# Altium PCB oxy_pcb.PcbDoc (continued)
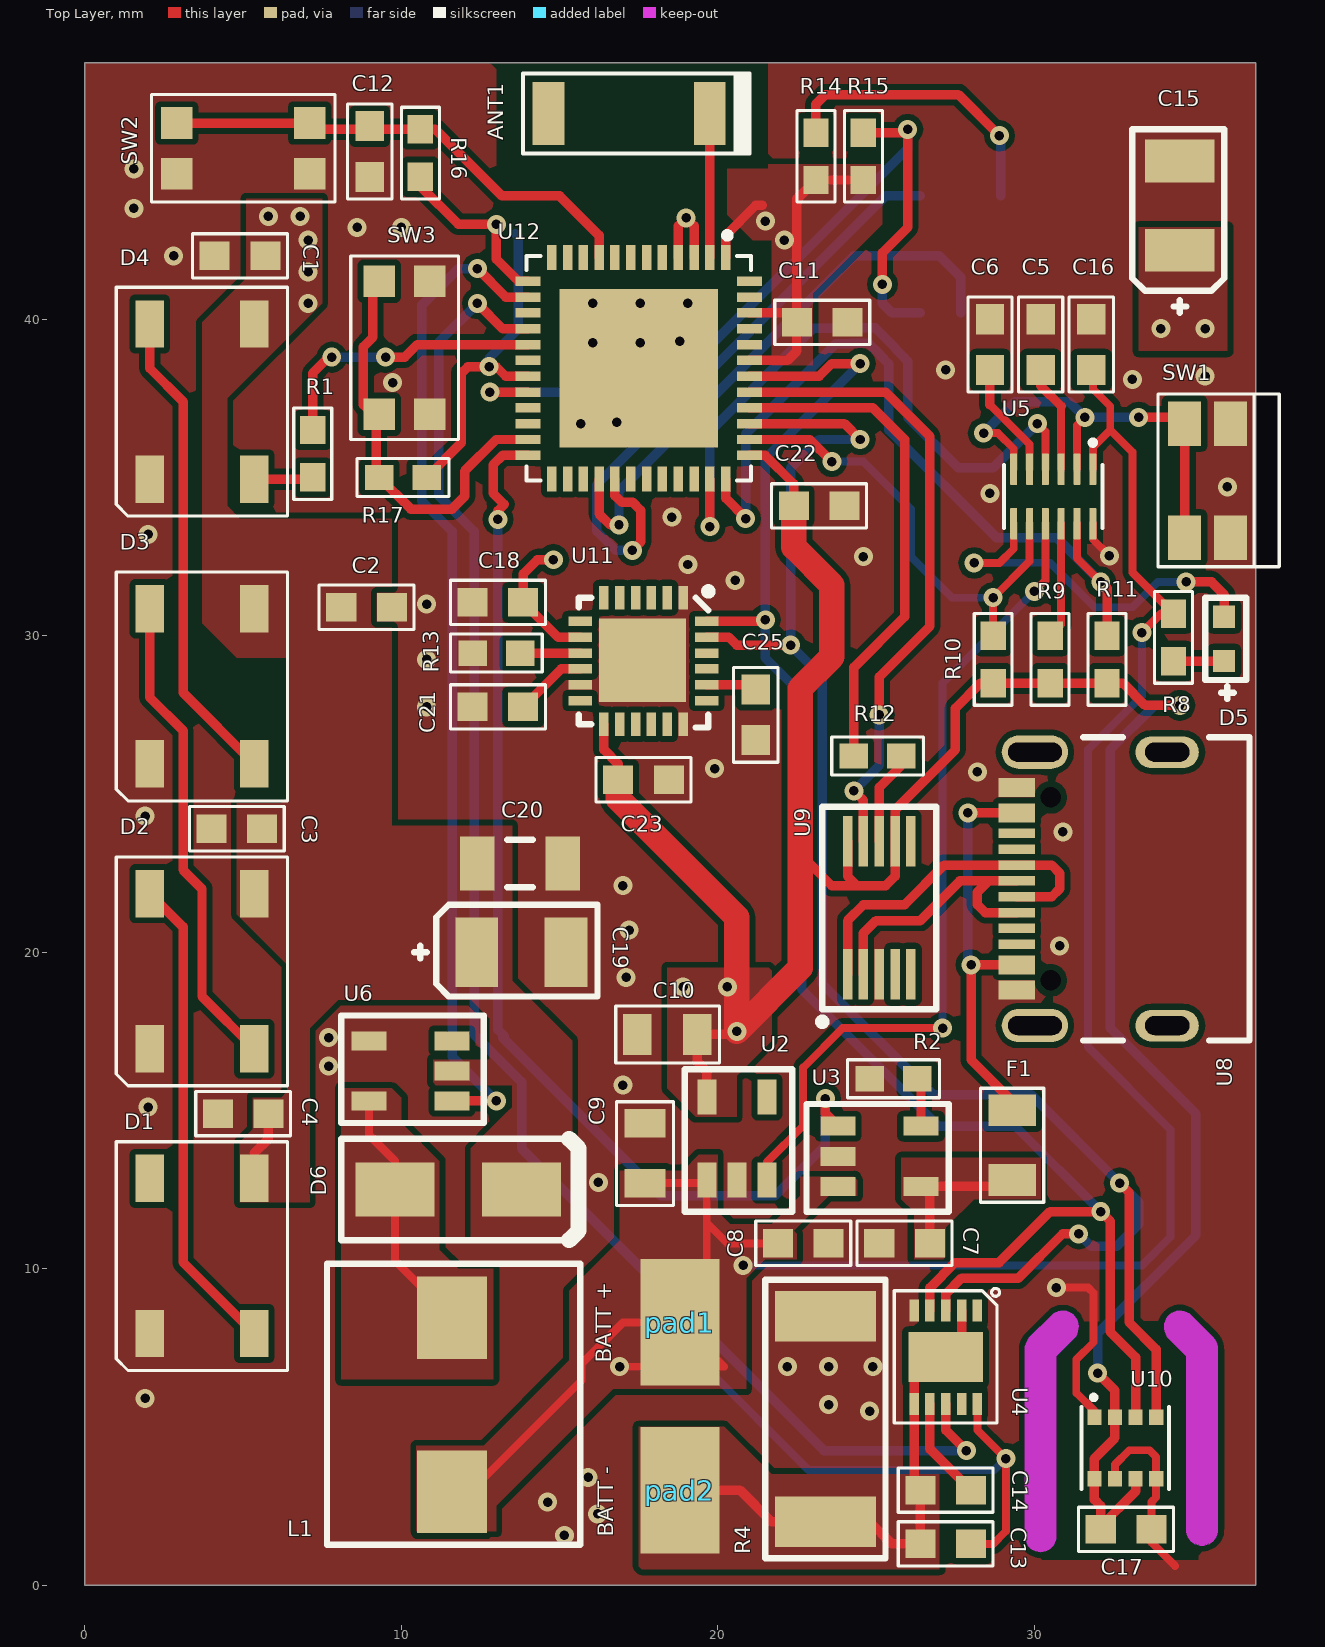
[diagram p0: Top Layer view]
## Part data (continued)
R12: library part ERA-3AEB121V, "RESISTOR, 0603, 120R, FULL REEL", Manufacturer=Panasonic, Power Rating=100mW, Resistance=120ohm, Resistance Tolerance="± 0.1%", Resistor Case Style="0603 ^1608 Metric]", Resistor Element Type="Thin Film", Supplier Part Number 1=P120DBCT-ND, Temperature Coefficient="± 25ppm/°C", Voltage Rating=75V, ComponentLink1Description=http://www.farnell.com/datasheets/1776116.pdf?src-supplier=Element14, ComponentLink1URL=http://www.farnell.com/datasheets/1776116.pdf?src-supplier=Element14, ComponentLink2Description=https://www.distrelec.biz/Web/Downloads/_t/ds/ERA_eng_tds.pdf?mime=application%2Fpdf&src-supplier=Distrelec, ComponentLink2URL=https://www.distrelec.biz/Web/Downloads/_t/ds/ERA_eng_tds.pdf?mime=application%2Fpdf&src-supplier=Distrelec, ComponentLink3Description=http://www.farnell.com/datasheets/485442.pdf?src-supplier=Farnell, ComponentLink3URL=http://www.farnell.com/datasheets/485442.pdf?src-supplier=Farnell, ComponentLink4Description=http://www.farnell.com/datasheets/2052875.pdf?src-supplier=Farnell, ComponentLink4URL=http://www.farnell.com/datasheets/2052875.pdf?src-supplier=Farnell, ComponentLink5Description=http://www.farnell.com/datasheets/2059650.pdf?src-supplier=Farnell, ComponentLink5URL=http://www.farnell.com/datasheets/2059650.pdf?src-supplier=Farnell, ComponentLink6Description=http://industrial.panasonic.com/www-data/pdf/AOA0000/AOA0000CE26.pdf?src-supplier=Avnet, ComponentLink6URL=http://industrial.panasonic.com/www-data/pdf/AOA0000/AOA0000CE26.pdf?src-supplier=Avnet, ComponentLink7Description=http://uk.rs-online.com/webdocs/0fe2/0900766b80fe20f7.pdf?src-supplier=RSComponents, ComponentLink7URL=http://uk.rs-online.com/webdocs/0fe2/0900766b80fe20f7.pdf?src-supplier=RSComponents, ComponentLink8Description=http://www.farnell.com/datasheets/485442.pdf?src-supplier=Element14, ComponentLink8URL=http://www.farnell.com/datasheets/485442.pdf?src-supplier=Element14, ComponentLink9Description=http://industrial.panasonic.com/www-data/pdf/AOA0000/AOA0000CE26.pdf?src-supplier=Avnet+Europe, ComponentLink9URL=http://industrial.panasonic.com/www-data/pdf/AOA0000/AOA0000CE26.pdf?src-supplier=Avnet+Europe, ComponentLink10Description=https://produktinfo.conrad.com/datenblaetter/450000-474999/450380-da-01-en-WIDERSTAND_0603_ERA.pdf?src-supplier=Conrad, ComponentLink10URL=https://produktinfo.conrad.com/datenblaetter/450000-474999/450380-da-01-en-WIDERSTAND_0603_ERA.pdf?src-supplier=Conrad, Manufacturer Part Number=ERA-3AEB121V, Packaging="Full Reel", Pricing 1="1=0.35, 10=0.3, 100=0.1173, 1000=0.0491, 2500=0.045 (USD)", Product Range="PANASONIC - ERA Series", Stock 1=198203, Supplier 1=Digi-Key
R13: library part CRCW06034K70FKEA, "RES SMD 4.7K OHM 1% 1/10W 0603", Manufacturer=Vishay, Operating Temperature="-55°C ~ 155°C", Package / Case="0603 (1608 Metric)", Power (Watts)="0.1W, 1/10W", Resistance="4.7 kOhms", Supplier Device Package=0603, Supplier Part Number 1=541-4.70KHCT-ND, Temperature Coefficient=±100ppm/°C, Tolerance=±1%, Categories=Resistors, ComponentLink1Description=http://uk.rs-online.com/webdocs/0d98/0900766b80d98afc.pdf?src-supplier=RSComponents, ComponentLink1URL=http://uk.rs-online.com/webdocs/0d98/0900766b80d98afc.pdf?src-supplier=RSComponents, ComponentLink2Description=https://www.verical.com/server-webapp/html/getDatasheet?partID=33073&src-supplier=Verical, ComponentLink2URL=https://www.verical.com/server-webapp/html/getDatasheet?partID=33073&src-supplier=Verical, ComponentLink3Description=http://www.vishay.com/docs/20035/dcrcwe3.pdf?src-supplier=Future+Electronics, ComponentLink3URL=http://www.vishay.com/docs/20035/dcrcwe3.pdf?src-supplier=Future+Electronics, ComponentLink4Description=https://www.alliedelec.com/m/d/0c934d6939ccefa68dbe0b96d821c8cf.pdf?src-supplier=Allied+Electronics, ComponentLink4URL=https://www.alliedelec.com/m/d/0c934d6939ccefa68dbe0b96d821c8cf.pdf?src-supplier=Allied+Electronics, ComponentLink5Description=http://www.vishay.com/docs/20035/dcrcwe3.pdf?src-supplier=Avnet+Asia, ComponentLink5URL=http://www.vishay.com/docs/20035/dcrcwe3.pdf?src-supplier=Avnet+Asia, ComponentLink6Description=http://www.farnell.com/datasheets/2046716.pdf?src-supplier=Element14, ComponentLink6URL=http://www.farnell.com/datasheets/2046716.pdf?src-supplier=Element14, ComponentLink7Description=https://www.distrelec.biz/Web/Downloads/a_/en/flD-CRCW-e3_data_en.pdf?mime=application%2Fpdf&src-supplier=Distrelec, ComponentLink7URL=https://www.distrelec.biz/Web/Downloads/a_/en/flD-CRCW-e3_data_en.pdf?mime=application%2Fpdf&src-supplier=Distrelec, Composition="Thick Film", Failure Rate=-, Features="Automotive AEC-Q200", Height - Seated (Max)="0.020 (0.50mm)", Manufacturer Part Number=CRCW06034K70FKEA, Number of Terminations=2, Packaging=Digi-Reel®, Part Status=Active, Pricing 1="1=0.1, 10=0.036, 100=0.0146, 1000=0.0065, 2500=0.0057 (USD)", Series=CRCW, Size / Dimension="0.061 L x 0.033 W (1.55mm x 0.85mm)", Stock 1=0, Supplier 1=Digi-Key
SW1: library part EVQ-P7A01P, "SWITCH TACTILE SPST-NO 0.05A 12V", Contact Rating @ Voltage="0.05A @ 12VDC", Illumination Type, Color=-, Manufacturer="Panasonic Electronic Components", Operating Force=220gf, Operating Temperature="-20°C ~ 70°C", Supplier Part Number 1=P16763CT-ND, Actuator Height off PCB, Vertical=-, Actuator Length, Right Angle=-, Actuator Material=-, Actuator Orientation="Side Actuated", Actuator Type="Rectangular Button", Category=Switches, Circuit=SPST-NO, ComponentLink1Description=https://www3.panasonic.biz/ac/e_download/control/switch/light-touch/catalog/sw_lt_eng_3529s_side.pdf, ComponentLink1URL=https://www3.panasonic.biz/ac/e_download/control/switch/light-touch/catalog/sw_lt_eng_3529s_side.pdf, Features=-, Illumination=Non-Illuminated, Illumination Voltage (Nominal)=-, Ingress Protection=-, Manufacturer Part Number=EVQ-P7A01P, Mechanical Life="100,000 Cycles", Mounting Type="Surface Mount, Right Angle", Outline="3.50mm x 2.90mm", Packaging="Cut Tape (CT)", Part Status=Active, Pricing 1="1=0.3, 10=0.285, 25=0.2748, 50=0.2646, 100=0.2544, 250=0.23404, 500=0.2035, 1000=0.17298 (USD)", RoHS="RoHS Compliant", Stock 1=17874, Supplier 1=Digi-Key, Switch Function=Off-Mom, Switch Travel=0.20mm, Termination Style="Gull Wing"
SW2 SW3: library part KMR731NGLFS, "switch", Contact Rating @ Voltage="0.05A @ 32VDC", Illumination Type, Color=-, Manufacturer="ITT C&K", Operating Force=300gf, Operating Temperature="-40°C ~ 85°C", Supplier Part Number 1=611-KMR731NGLFS, Actuator Height off PCB, from Pins=2.50mm, Actuator Material=-, Actuator Orientation="Top Actuated", Actuator Type=Standard, Category=Switches, Circuit=SPST-NO, Family="Tactile Switches", Features=-, Illumination=Non-Illuminated, Illumination Voltage (Nominal)=-, Ingress Protection="IP67 - Dust Tight, Waterproof", Manufacturer Part Number=KMR731NGLFS, Mechanical Life="150,000 Cycles", Mounting Type="Surface Mount", Outline="4.20mm x 2.80mm", Packaging="Tape & Reel (TR)", Pricing 1="1=0.34, 10=0.333, 50=0.309, 100=0.298, 1000=0.203, 10000=0.167 (USD)", Series=KMR7, Stock 1=5277, Supplier 1=Mouser, Switch Function=Off-Mom, Switch Travel=-, Termination Style="Gull Wing"
U2: "IC REG LINEAR 3.3V 600MA SOT25", Current - Output=600mA, Manufacturer="Diodes Incorporated", Operating Temperature="-40°C ~ 85°C", Package / Case="SC-74A, SOT-753", Supplier Device Package=SOT-25, Supplier Part Number 1=AP2112K-3.3TRG1DITR-ND, Voltage - Input (Max)=6V, Voltage - Output (Max)=-, Voltage - Output (Min/Fixed)=3.3V, Voltage Dropout (Max)="0.4V @ 600mA", Category="Integrated Circuits (ICs)", ComponentLink1Description=https://www.diodes.com/assets/Datasheets/AP2112.pdf, ComponentLink1URL=https://www.diodes.com/assets/Datasheets/AP2112.pdf, Control Features=Enable, Manufacturer Part Number=AP2112K-3.3TRG1, Mounting Type="Surface Mount", Output Configuration=Positive, Output Type=Fixed, Packaging="Tape & Reel (TR)", Part Status=Active, Pricing 1="3000=0.10368, 6000=0.09792, 15000=0.08928, 30000=0.08352, 75000=0.07488 (USD)", Protection Features="Over Current, Over Temperature", PSRR="65sB (100Hz ~ 1KHz)", RoHS="RoHS Compliant", Stock 1=36000, Supplier 1=Digi-Key
U3: library part MCP73831T-2ACI/OT, "IC CONTROLLR LI-ION 4.2V SOT23-5", Battery Pack Voltage=4.2V, Charge Current - Max=500mA, Current - Charging="Constant - Programmable", Manufacturer="Microchip Technology", Operating Temperature="-40°C ~ 85°C (TA)", Package / Case="SC-74A, SOT-753", Supplier Device Package=SOT-23-5, Supplier Part Number 1=MCP73831T-2ACI/OTCT-ND, Voltage - Supply (Max)=6V, Battery Chemistry=Lithium-Ion/Polymer, Category="Integrated Circuits (ICs)", ComponentLink1Description=http://www.microchip.com/mymicrochip/filehandler.aspx?ddocname=en025112, ComponentLink1URL=http://www.microchip.com/mymicrochip/filehandler.aspx?ddocname=en025112, Fault Protection="Over Voltage", Interface=-, Manufacturer Part Number=MCP73831T-2ACI/OT, Number of Cells=1, Packaging="Cut Tape (CT)", Part Status=Active, Pricing 1="1=0.59, 25=0.4936, 100=0.441 (USD)", Programmable Features=Current, RoHS="RoHS Compliant", Stock 1=86533, Supplier 1=Digi-Key
U4: library part MAX17055ETB+T, "IC FUEL GAUGE MODELGAUGE 10TDFN", Manufacturer=Maxim, Operating Temperature="-40°C ~ 85°C (TA)", Package / Case="10-WFDFN Exposed Pad", Supplier Device Package="10-TDFN (2.5x2.0)", Supplier Part Number 1=MAX17055ETB+TCT-ND, Base Part Number=MAX17055, Battery Chemistry=Multi-Chemistry, Categories="Integrated Circuits (ICs)", ComponentLink1Description=https://pdfserv.maximintegrated.com/en/an/AN6365.pdf?src-supplier=Digi-Key, ComponentLink1URL=https://pdfserv.maximintegrated.com/en/an/AN6365.pdf?src-supplier=Digi-Key, ComponentLink2Description=http://www.farnell.com/datasheets/2608092.pdf?src-supplier=Farnell, ComponentLink2URL=http://www.farnell.com/datasheets/2608092.pdf?src-supplier=Farnell, Fault Protection=-, Function="Battery Monitor", Interface=I?C, Manufacturer Part Number=MAX17055ETB+T, Number of Cells=1, Packaging="Cut Tape (CT)", Part Status=Active, Pricing 1="1=2.16, 10=1.942, 25=1.836, 100=1.5096, 250=1.3546, 500=1.326 (USD)", Series=ModelGauge™, Stock 1=7808, Supplier 1=Digi-Key
U5: library part STM6601CQ2BDM6F, "On/Off Controller 12-Pin TDFN T/R", Manufacturer=STMicroelectronics, Number of Voltages Monitored=1, Operating Temperature="-40°C ~ 85°C", Package / Case=12-TDFN, Supplier Device Package="12-TDFN (2x3)", Supplier Part Number 1=497-10133-1-ND, Voltage - Threshold=3.3V, Category="Integrated Circuits (ICs)", ComponentLink1Description=http://www.st.com/web/en/resource/technical/document/datasheet/CD00226957.pdf?src-supplier=Future+Electronics, ComponentLink1URL=http://www.st.com/web/en/resource/technical/document/datasheet/CD00226957.pdf?src-supplier=Future+Electronics, ComponentLink2Description=http://www.st.com/content/ccc/resource/sales_and_marketing/promotional_material/flyer/aa/21/1f/20/e0/b1/46/88/FLSTM66XX0215.pdf/files/FLSTM66XX0215.pdf/jcr:content/translations/en.FLSTM66XX0215.pdf?src-supplier=Digi-Key, ComponentLink2URL=http://www.st.com/content/ccc/resource/sales_and_marketing/promotional_material/flyer/aa/21/1f/20/e0/b1/46/88/FLSTM66XX0215.pdf/files/FLSTM66XX0215.pdf/jcr:content/translations/en.FLSTM66XX0215.pdf?src-supplier=Digi-Key, ComponentLink3Description=http://www.st.com/content/ccc/resource/technical/document/datasheet/1f/9e/3b/43/ec/04/44/71/CD00226957.pdf/files/CD00226957.pdf/jcr:content/translations/en.CD00226957.pdf?src-supplier=Digi-Key, ComponentLink3URL=http://www.st.com/content/ccc/resource/technical/document/datasheet/1f/9e/3b/43/ec/04/44/71/CD00226957.pdf/files/CD00226957.pdf/jcr:content/translations/en.CD00226957.pdf?src-supplier=Digi-Key, ComponentLink4Description=http://www.st.com/web/en/resource/technical/document/datasheet/CD00226957.pdf?src-supplier=Avnet+Europe, ComponentLink4URL=http://www.st.com/web/en/resource/technical/document/datasheet/CD00226957.pdf?src-supplier=Avnet+Europe, ComponentLink5Description=http://www.produktinfo.conrad.com/datenblaetter/1100000-1199999/001184326-da-01-en-IC_SUPERVISO_STM6601CQ2BDM6F_TDFN_12_STM.pdf?src-supplier=Conrad, ComponentLink5URL=http://www.produktinfo.conrad.com/datenblaetter/1100000-1199999/001184326-da-01-en-IC_SUPERVISO_STM6601CQ2BDM6F_TDFN_12_STM.pdf?src-supplier=Conrad, Dynamic Catalog="Smart ON/OFF Controller, Reset", Family="PMIC - Supervisors", Manufacturer Part Number=STM6601CQ2BDM6F, Mounting Type="Surface Mount", Other Names=497-10133-6, Other Related Documents="STM6601 View All Specifications", Output="Open Drain or Open Collector", Packaging=Digi-Reel®, Pricing 1="1=1.51, 10=1.351, 25=1.2824, 100=0.9847, 250=0.8702, 500=0.8244, 1000=0.6412 (USD)", Product Training Modules="STM660x Smart On/Off Controller", Reset="Active Low", Reset Timeout=-, Series="Smart Reset™", Standard Package=1, Stock 1=114, Supplier 1=Digi-Key, Type="Smart ON/OFF Controller"
U8: library part USB4105-GF-A, "Conn Rcpt USB2.0 Typec 5A", Manufacturer="Global Connector Technology", Supplier Part Number 1=86AH2021, Manufacturer Part Number=USB4105-GF-A, Pricing 1="1=1.69, 100=1.36, 250=1.23, 500=1.14, 1000=1.04 (USD)", Stock 1=0, Supplier 1=Newark
U9: library part EMCH340, Manufacturer=Eaton, Manufacturer Part Number=EMCH340|EMCH340, Supplier Part Number 1=1243048, Stock 1=0, Supplier 1=RSComponents
U10: "Pressure, Temperature and Humidity Sensor Digital Output 1.8V 8-Pin LGA T/R", Manufacturer=Bosch, Operating Temperature="-40°C ~ 85°C", Package / Case=8-VFLGA, Supplier Device Package="8-LGA (2.5x2.5)", Supplier Part Number 1=828-1063-1-ND, Voltage - Supply="1.71 V ~ 3.6 V", Accuracy=±3%, Categories="Sensors, Transducers", ComponentLink1Description=https://ae-bst.resource.bosch.com/media/_tech/media/datasheets/BST-BME280-DS002.pdf?src-supplier=Digi-Key, ComponentLink1URL=https://ae-bst.resource.bosch.com/media/_tech/media/datasheets/BST-BME280-DS002.pdf?src-supplier=Digi-Key, ComponentLink2Description=https://ae-bst.resource.bosch.com/media/_tech/media/product_flyer/BME280_Productflyer_BST_20170109.pdf?src-supplier=Arrow, ComponentLink2URL=https://ae-bst.resource.bosch.com/media/_tech/media/product_flyer/BME280_Productflyer_BST_20170109.pdf?src-supplier=Arrow, ComponentLink3Description=https://ae-bst.resource.bosch.com/media/_tech/media/product_flyer/BME280_Productflyer_BST_20170109.pdf?src-supplier=Mouser, ComponentLink3URL=https://ae-bst.resource.bosch.com/media/_tech/media/product_flyer/BME280_Productflyer_BST_20170109.pdf?src-supplier=Mouser, ComponentLink4Description=https://ae-bst.resource.bosch.com/media/_tech/media/product_flyer/BME280_Productflyer_BST_20170109.pdf?src-supplier=NAC+Semi, ComponentLink4URL=https://ae-bst.resource.bosch.com/media/_tech/media/product_flyer/BME280_Productflyer_BST_20170109.pdf?src-supplier=NAC+Semi, Humidity Range="0 ~ 100% RH", Manufacturer Part Number=BME280, Mounting Type="Surface Mount", Output=16b, Output Type="I?C, SPI", Packaging="Cut Tape (CT)", Part Status=Active, Pricing 1="1=6.55, 5=5.776, 10=5.101, 25=4.1388, 50=3.6576, 100=3.5613, 500=2.9838, 1000=2.7913, 5000=2.5988 (USD)", Response Time=1s, Sensitivity=-, Sensor Type="Humidity, Pressure, Temperature", Series=-, Stock 1=18503, Supplier 1=Digi-Key
U11: "IMU ACCEL/GYRO 3-AXIS I2C 24QFN", Manufacturer="TDK InvenSense", Operating Temperature="-40°C ~ 85°C (TA)", Supplier Part Number 1=1428-1007-1-ND, Category="Sensors, Transducers", ComponentLink1Description=http://store.invensense.com/datasheets/invensense/MPU-6050_DataSheet_V3%204.pdf, ComponentLink1URL=http://store.invensense.com/datasheets/invensense/MPU-6050_DataSheet_V3%204.pdf, Manufacturer Part Number=MPU-6050, Output Type=I?C, Part Status="Not For New Designs", Pricing 1="1=8.25, 5=7.232, 10=6.509, 25=5.786, 50=5.352, 100=4.6288, 500=4.3395, 1000=4.0502 (USD)", RoHS="RoHS Compliant", Sensor Type="Accelerometer, Gyroscope, 3 Axis", Stock 1=22313, Supplier 1=Digi-Key
U12: "Bluetooth, WiFi 802.11b/g/n, Bluetooth v4.2 + EDR, Class 1, 2 and 3 Transceiver Module 2.4GHz ~ 2.5GHz Surface Mount", Package="SMD-48 Espressif Systems", Availability=Unavailable, MF="Espressif Systems", MP=ESP32-PICO-D4, Price=None, SnapEDA_Link=https://www.snapeda.com/parts/ESP32-PICO-D4/Espressif%20Systems/view-part/2762121/?ref=snap

## Via types
v1: diameter 0.6, hole 0.3, Top Layer to Bottom Layer, tented both sides, 103 vias
v2: diameter 0.6, hole 0.3, Top Layer to Bottom Layer, 9 vias

## Nets (pads, with @x,y where several pads share a name; then routed paths per layer and width w, separated by ;. In a path a pad name is that pad's centre, name@x,y a point inside that pad or via, vN(x,y) a via of type N, cw(c..) or ccw(c..) an arc to the next point about the centre after c; other vN are vias at no path point)
+3V3: C10.2 C11.2 C17.2 C18.2 C22.2 C23.2 R9.2 R10.2 R11.2 R14.1 R15.1 R16.2 R17.2 U2.5 U9.7 U9.10 U10.2 U10.6 U10.8 U11.8 U11.13 U12.1 U12.3 U12.4 U12.13 U12.19 U12.37 U12.43 U12.46 | length 122.9
  Top Layer w0.3: R16.2 10.6,44.2 11.8,43 v1(13,43) 13,41.9 13.7,41.2 U12.13 ; R17.2 11.9,36.1 11.9,38.3 12.1,38.5 v1(12.775,38.5) 13,38.5 13.3,38.2 U12.19 ; v1(14.8,32.4) 14.3,32.4 13.85,31.95 C18.2 14.95,29.95 U11.8 ; U11.13 16.4,26.4 16.85,25.95 C23.2 ; U12.4 18.75,42.95 v1(19,43.2) 19.25,42.95 U12.3 ; U2.5 19.65,16.25 19.35,16.55 C10.2 20.5,17.4 v1(20.6,17.5) ; U12.1 20.25,42.65 21.2,43.6 21.4,43.6 ; U12.37 21.5,35.7 22.4,34.8 C22.2 ; U12.43 22.2,38.7 22.5,39 C11.2 ; U12.46 22.2,40.2 C11.2 ; 22.6,23.1 23.6,22.1 24.4,22.1 ; U9.10 24.1,22.4 24.4,22.1 ; R15.1 R14.1 22.5,43.8 C11.2 ; C17.2@31.995,1.865 C17.2 C17.2@32.1,1.86 ; v1(32,6.7) 32.55,6.15 U10.2 32.55,4.65 31.9,4 U10.8 31.9,2.7 32.1,2.5 C17.2@32.1,1.86 ; U10.6 33.2,2.96 C17.2@32.1,1.86 ; v1(34.6,27.8) 33.5,27.8 32.8,28.5 R11.2 R9.2 R10.2 28.3,28.5 27.5,27.7 27.5,26.393 25.6,24.493 U9.7 25.6,22.4 25.3,22.1 24.4,22.1
  Top Layer w0.8: C23.2 16.85,24.85 20.6,21.1 v1(20.6,17.5) 22.6,19.5 22.6,23.1 22.6,28.332 23.6,29.332 23.6,31.6 22.4,32.8 C22.2
  Bottom Layer w0.3: v1(12.775,38.5) 12.775,38.775 13.7,39.7 13.7,42.6 13.6,42.7 ; v1(32,6.7) 32,7.95 35.1,11.05 35.1,14.9 32.4,17.6 32.4,26.4 33.8,27.8 v1(34.6,27.8)
  other v1: 18.9,18.9 20.3,18.9 22.1,42.5 21.5,43.1
+5V: C1.2 C2.2 C3.2 C4.2 C15.2 C19.2 C20.2 D1.1 D2.1 D3.1 D4.1 D6.2 U6.2 U7.1 U7.2 | length 2.2
  Top Layer w0.3: D1.1 5.35,13.65 5.8,14.1 C4.2
  other v1: 34,39.7 35.4,39.7 7.05,40.5 7.05,41.5 7.05,42.5 5.8,43.25 6.8,43.25
+VBATT: C8.2 C9.2 C13.1 C16.2 L1.1 pad1.1 R8.2 U2.1 U3.3 U4.10 U5.1 | length 90
  Top Layer w0.25: L1.1 12.175,2.95 15.7,6.475 15.7,7 17,8.3 pad1.1 ; v1(16.9,6.9) 20.2,6.9 pad1.1 ; C9.2 19.55,12.7 U2.1 19.65,11.45 ; C8.2 20.3,10.8 19.65,11.45 ; C13.1 28.7,1.3 29.1,1.7 v1(29.1,4) 28.2,4.9 U4.10 ; U5.1 31.85,35.95 32.4,36.5 ; C16.2@31.85,38.35 31.85,37.8 32.4,37.25 32.4,36.5 ; v1(33.4,30.1) 34,30.7 R8.2 33.1,32 33.1,35.8 32.4,36.5 ; pad1.1 19.65,9.15 19.65,11.45
  Top Layer w0.3: C16.2 C16.2@31.85,38.35
  Bottom Layer w0.25: v1(16.9,6.9) 19.6,6.9 22.865,3.635 28.735,3.635 v1(29.1,4) ; v1(20.8,10.1) 33.4,10.1 34.3,11 34.3,14.4 31.7,17 31.7,26.4 33.4,28.1 v1(33.4,30.1)
+VUSB: C7.2 F1.2 U3.4 | length 5
  Top Layer w0.3: C7.2 26.7,12.32 U3.4 29.1,12.6 F1.2 F1.2@29.4,12.8
ACC_INT: U11.12
BATTERY_ALERT: U4.8 U12.16 | length 50
  Top Layer w0.3: v1(12.4,40.5) 13.2,39.7 U12.16 ; U4.8 27.2,4.9 v1(27.85,4.25)
  Bottom Layer w0.3: v1(12.4,40.5) 11.175,39.275 11.175,34.425 12.3,33.3 12.3,17.4 13.8,15.9 13.8,13.8 23.35,4.25 v1(27.85,4.25)
CHGSTAT: U3.1 U12.24 | length 35.1
  Top Layer w0.3: v1(13.05,33.675) 13.05,33.95 13.25,34.15 12.9,34.5 12.9,35.4 13.2,35.7 U12.24 ; v1(23.4,15.375) 23.4,14.9 U3.1
  Bottom Layer w0.3: v1(13.05,33.675) 13.05,17.55 13.25,17.35 13.2,17.3 18.2,12.3 21.8,12.3 23.4,13.9 v1(23.4,15.375)
DIN: D4.4 R1.1 | length 1.9
  Top Layer w0.3: D4.4 7.15,34.95 R1.1
EN: C12.2 R16.1 SW2.2 U12.9 | length 15.5
  Top Layer w0.3: SW2.2@2.9,46.2 7.1,46.2 7.3,46 R16.1 11.075,46 13.175,43.9 15,43.9 16.25,42.65 U12.9
ENABLE_PM_SENSOR: U6.1 U12.14 | length 31.7
  Top Layer w0.3: U6.1 v1(13,15.3) ; v1(12.4,41.6) 13.3,40.7 U12.14
  Bottom Layer w0.3: v1(12.4,41.6) 11.8,41.6 10.65,40.45 10.65,34.25 11.6,33.3 11.6,16.7 v1(13,15.3)
GND: C1.1 C2.1 C3.1 C4.1 C5.1 C6.1 C7.1 C8.1 C9.1 C10.1 C11.1 C12.1 C15.1 C16.1 C17.1 C18.1 C19.1 C20.1 C21.1 C22.1 C23.1 C25.1 D1.3 D2.3 D3.3 D4.3 R2.1 R4.2 R13.1 SW1.1 SW2.1 SW3.1 U2.2 U3.2 U4.5 U5.12 U6.4 U7.3 U7.4 U8.1 U9.3 U10.1 U10.5 U10.7 U11.1 U11.11 U11.18 U11.25 U12.49 | length 12.7
  Top Layer w0.25: v1(30.7,9.4) 31.7,9.4 31.875,9.225 31.875,7.675 31.325,7.125 31.325,6.075 31.9,5.5 U10.1 ; U5.12 31.85,33.05 v1(32.375,32.525) ; U10.7 32.55,3.81 33,4.26 33.64,4.26 33.85,4.05 U10.5 33.85,2.775 33.7,2.625 C17.1 33.7,1.35 34.45,0.6
  other v1: 15.15,1.575 16.2,2.25 14.625,2.625 15.9,3.4 24.8,5.5 23.5,5.7 1.9,5.9 22.2,6.9 23.5,6.9 24.9,6.9 2,15.1 17,15.8 7.7,16.4 7.7,17.3 17.1,19.2 30.8,20.2 17.2,20.7 17,22.1 30.9,23.8 1.9,24.3 28.2,25.7 19.9,25.8 10.8,27.75 10.8,29.25 10.8,31 20.55,31.75 19.05,32.25 24.6,32.5 2,33.2 18.55,33.75 28.6,34.5 36.1,34.7 9.725,38 33.1,38.1 35.4,38.2 27.2,38.4 2.8,42 8.6,42.9 10,42.9 1.55,43.5 1.55,44.75
  other v2: 16.225,12.725 15.675,36.7 16.8,36.75 16.05,39.25 17.55,39.25 18.8,39.3 16.05,40.5 17.55,40.5 19.05,40.5
IO0: R17.1 SW3.2 U12.23 | length 13
  Top Layer w0.3: SW3.2@9.1,41.2 9.1,39.43 8.8,39.13 8.8,37.3 9.2,36.9 9.2,35.1 R17.1 10.3,34 11.6,34 12,34.4 12,35.2 13,36.2 U12.23
NetANT1_P$1: ANT1.P$1 U12.2 | length 4.7
  Top Layer w0.3: U12.2 19.75,46.25 ANT1.P$1@20,46.5
NetC5_2: C5.2 U5.3 | length 3.4
  Top Layer w0.25: U5.3 30.85,37.25
  Top Layer w0.3: C5.2 30.2,37.9 30.85,37.25
NetC6_2: C6.2 U5.5 | length 3.7
  Top Layer w0.25: 28.6,37.3 29.85,36.05 U5.5
  Top Layer w0.3: 28.6,37.3 C6.2
NetC14_2: C14.2 U4.7 | length 3.3
  Top Layer w0.3: U4.7 26.7,4.3 C14.2
NetC21_2: C21.2 U11.10 | length 2.3
  Top Layer w0.3: C21.2 15.05,28.95 U11.10
NetC25_2: C25.2 U11.20 | length 1.9
  Top Layer w0.3: U11.20 21.25,28.45 C25.2@21.45,28.25
NetD1_4: D1.4 D2.2 | length 15.3
  Top Layer w0.3: D2.2 3.1,20.8 3.1,10.2 D1.4
NetD2_4: D2.4 D3.2 | length 15.3
  Top Layer w0.3: D3.2 2.05,28.05 3.1,27 3.1,22.6 3.7,22 3.7,18.6 D2.4
NetD3_4: D3.4 D4.2 | length 15.3
  Top Layer w0.3: D4.2 2.05,38.45 3.1,37.4 3.1,28.2 D3.4
NetD5_1: D5.1 R8.1 | length 1.6
  Top Layer w0.3: R8.1 D5.1
NetD5_2: D5.2 U5.7 | length 11.9
  Top Layer w0.25: v1(28.1,32.3) 28.9,32.3 29.35,32.75 U5.7
  Top Layer w0.3: v1(34.8,31.7) 35.6,31.7 36,31.3 D5.2
  Bottom Layer w0.25: v1(28.1,32.3) 28.105,32.305 30.495,32.305 31.9,30.9 33.1,30.9 33.9,31.7 v1(34.8,31.7)
NetD6_1: D6.1 L1.2 U6.5 | length 7.9
  Top Layer w0.25: U6.5 8.98,14.22 9.8,13.4 D6.1 9.8,10.25 L1.2
NetF1_1: F1.1 U8.2 | length 13
  Top Layer w0.3: v1(27.9,24.4) U8.2@29.445,24.4 ; F1.1 29.3,15.3 28,16.6 v1(28,19.6) U8.2@29.445,19.6
  Bottom Layer w0.3: v1(27.9,24.4) 27.9,19.7 v1(28,19.6)
NetR1_2: R1.2 U12.17 | length 9.1
  Top Layer w0.3: R1.2 7.2,38.3 7.8,38.9 v1(7.8,38.8) ; v1(9.5,38.8) 10.1,38.8 10.5,39.2 U12.17
  Bottom Layer w0.3: v1(7.8,38.8) v1(9.5,38.8)
NetR2_2: R2.2 U3.5 | length 1.5
  Top Layer w0.3: R2.2 26.42,15.88 U3.5
NetR12_1: R12.1 U9.8 | length 3
  Top Layer w0.3: U9.8 25.1,25.205 25.8,25.905 R12.1
NetR13_2: R13.2 U11.9 | length 1.9
  Top Layer w0.3: R13.2 U11.9
NetR14_2: R14.2 U7.5 | length 9.3
  Top Layer w0.3: R14.2 23.1,46.8 23.4,47.1 27.6,47.1 v1(28.9,45.8)
  Bottom Layer w0.3: v1(28.9,45.8) 28.94,45.76 U7.5
NetSW1_2: SW1.2 U5.2 U5.6 | length 14.2
  Top Layer w0.25: v1(28.4,36.4) 28.857,36.4 29.35,35.907 U5.6 ; U5.2 31.35,36.65 v1(31.6,36.9)
  Top Layer w0.3: v1(33.3,36.9) 34.55,36.9 34.75,36.7 SW1.2@34.75,33.1
  Bottom Layer w0.3: v1(28.4,36.4) 29.4,37.4 31.1,37.4 v1(31.6,36.9) v1(33.3,36.9)
NetU2_3: U2.3 U5.9 | length 26.2
  Top Layer w0.25: U2.3 21.55,13.373 22.695,14.518 22.695,16.351 23.944,17.6 v1(27.1,17.6) ; v1(30,31.4) 30.35,31.75 U5.9
  Bottom Layer w0.25: v1(27.1,17.6) 27.1,28.5 v1(30,31.4)
NetU8_3: U8.3 U9.2 | length 9.1
  Top Layer w0.3: U9.2 24.6,20.6 25,21 26.4,21 27.65,22.25 28.55,22.25 ; U8.3@29.445,21.25 28.45,21.25 28.2,21.5 28.2,21.9 28.55,22.25 ; U8.3@29.445,22.25 28.55,22.25
NetU8_4: U8.4 U9.1 | length 11.2
  Top Layer w0.3: U9.1 24.1,21 24.6,21.5 25.9,21.5 27.15,22.75 29.445,22.75 30.55,22.75 30.8,22.5 30.8,22 30.55,21.75 U8.4@29.445,21.75
NVBATT: C13.2 C14.1 pad2.1 R4.1 U4.2 U4.6 | length 15.2
  Top Layer w0.3: pad2.1 20.7,3 21.7,2 R4.1 24.8,2 25.5,1.3 C13.2 C14.1 26.2,3.2 26.2,5.725 26.21,5.735 U4.6@26.21,6.415 ; U4.6@27.2,7.2 27.7,7.7 U4.2
PM_RX: U7.7 U12.28 | length 18.2
  Top Layer w0.3: U12.28 16.25,33.85 16.598,33.502 v1(16.877,33.502)
  Bottom Layer w0.3: v1(16.877,33.502) 16.877,34.577 24.3,42 27,42 27.67,41.33 U7.7
PM_TX: U7.9 U12.29 | length 19.8
  Top Layer w0.3: U12.29 16.75,34.427 16.967,34.21 17.315,34.21 17.565,33.96 17.565,32.965 v1(17.3,32.7)
  Bottom Layer w0.3: v1(17.3,32.7) 16.774,32.7 16.175,33.298 16.175,34.775 25.3,43.9 U7.9
PMSET: R15.2 U7.10 U12.20 | length 26.8
  Top Layer w0.3: v1(12.8,37.7) U12.20 ; R15.2 25.9,45.9 v1(26,46) 26,42.9 25.2,42.1 v1(25.2,41.1)
  Bottom Layer w0.3: v1(12.8,37.7) 18.3,37.7 26,45.4 v1(26,46) ; v1(25.2,41.1) 25.2,40.5 25.5,40.2 U7.10
POWER_HOLD: U5.4 U12.35 | length 21.2
  Top Layer w0.25: v1(30.1,36.7) 30.35,36.45 U5.4
  Top Layer w0.3: v1(19.75,33.45) U12.35
  Bottom Layer w0.3: v1(19.75,33.45) 19.75,36.45 23.01,39.71 23.517,39.71 23.527,39.72 24.022,39.72 24.032,39.73 24.968,39.73 25.63,39.068 25.63,39.054 25.89,38.794 25.89,38.78 26,38.67 26,36.9 27.6,35.3 28.7,35.3 v1(30.1,36.7)
POWER_INTERRUPT: R11.1 U5.11 U12.36 | length 24.9
  Top Layer w0.25: U5.11 31.35,32.45 v1(32.1,31.7)
  Top Layer w0.3: U12.36 20.25,34.35 20.877,33.723 v1(20.877,33.702) ; v1(32.1,31.7) 32.3,31.5 R11.1
  Bottom Layer w0.3: v1(20.877,33.702) 20.877,36.377 23.73,39.23 24.225,39.23 24.235,39.24 24.765,39.24 25.14,38.865 25.14,38.851 25.4,38.591 25.4,36.5 28.8,33.1 30.7,33.1 v1(32.1,31.7)
POWER_RST: R9.1 U5.10 | length 3.7
  Top Layer w0.25: R9.1 30.85,30.35 U5.10
POWER_STATUS: R10.1 U5.8 U12.38 | length 14.7
  Top Layer w0.25: R10.1 v1(28.7,31.2) 29.85,32.35 U5.8
  Top Layer w0.3: U12.38 22.9,36.2 v1(23.6,35.5)
  Bottom Layer w0.25: v1(23.6,35.5) 24.6,35.5 26.1,34 26.1,32.5 27.4,31.2 v1(28.7,31.2)
RX: U9.9 U12.41 | length 20.2
  Top Layer w0.3: U12.41 25.3,37.7 26.7,36.3 26.7,30.3 25.1,28.7 v1(25.1,27.5) ; v1(24.3,25.1) 24.6,24.8 U9.9
  Bottom Layer w0.3: v1(24.3,25.1) 25.1,25.9 v1(25.1,27.5)
SCL: U4.3 U10.4 U11.23 U12.39 | length 55
  Top Layer w0.3: U11.23 20.35,29.95 20.6,29.7 v1(22.3,29.7) ; U12.39 24,36.7 v1(24.5,36.2) ; U4.3 27.2,9.2 27.7,9.7 29.5,9.7 30.9,11.1 v1(31.4,11.1) ; v1(32.7,12.7) 33,12.4 33,8.3 33.85,7.45 U10.4
  Bottom Layer w0.3: v1(24.5,36.2) 23.2,36.2 22.3,35.3 v1(22.3,29.7) 23.297,28.703 23.297,19.003 26.8,15.5 29.9,15.5 v1(32.7,12.7) 33.3,12.1 33.3,11.4 32.6,10.7 31.8,10.7 v1(31.4,11.1)
SDA: U4.4 U10.3 U11.24 U12.42 | length 53.5
  Top Layer w0.3: U11.24 21.45,30.45 v1(21.5,30.5) ; U12.42 23.2,38.2 23.6,38.6 v1(24.5,38.6) ; U4.4 26.7,9.393 27.497,10.19 28.89,10.19 30.5,11.8 v1(32.1,11.8) 32.4,11.5 32.4,8 33.2,7.2 U10.3
  Bottom Layer w0.3: v1(24.5,38.6) 21.5,35.6 21.5,33.991 21.53,33.961 21.53,33.439 21.5,33.409 v1(21.5,30.5) 21.5,29.3 22.65,28.15 22.65,18.825 26.975,14.5 29.4,14.5 v1(32.1,11.8)
TX: R12.2 U12.40 | length 16
  Top Layer w0.3: U12.40 24.9,37.2 25.9,36.2 25.9,30.6 24.3,29 R12.2
pads on no net: ANT1.P$2 D1.2 U2.4 U4.1 U4.9 U6.3 U7.6 U7.8 U8. U8.A5 U8.A8 U8.B5 U8.B8 U8.G1 U8.G2 U8.G3 U8.G4 U9.4 U9.5 U9.6 U11.2 U11.3 U11.4 U11.5 U11.6 U11.7 U11.14 U11.15 U11.16 U11.17 U11.19 U11.21 U11.22 U12.5 U12.6 U12.7 U12.8 U12.10 U12.11 U12.12 U12.15 U12.18 U12.21 U12.22 U12.25 U12.26 U12.27 U12.30 U12.31 U12.32 U12.33 U12.34 U12.44 U12.45 U12.47 U12.48

## Polygon pours and split planes (outlines as drawn)
GND on Top Layer "Top Layer-No Net" (solid, remove dead copper, pour order 73): 0,48.1 37,48.1 37,0 0,0
+3V3 on Top Layer "Top Layer-No Net" (solid, remove dead copper, pour order 62): 21.7,38.5 21.7,42.5 21.1,42.5 20.3,43.3 20.3,44.9 25.2,44.9 25.2,43 23,40.8 23,38.5
+3V3 on Top Layer "Top Layer-No Net" (solid, remove dead copper, pour order 60): 19.3,14.8 20.6,14.8 20.6,16.1 21.7,17.2 21.7,19.5 18.4,19.5 18.4,15.7
+5V on Top Layer "Top Layer-No Net" (solid, remove dead copper, pour order 58): 33.3,42.9 36.1,42.9 36.1,39 33.3,39
+5V on Top Layer "Top Layer-No Net" (solid, remove dead copper, pour order 50): 4.9,12.1 7.1,12.1 7.1,17.6 8,18.5 12.2,18.5 12.8,17.9 12.8,16.6 11,16.6 11,15.8 13.5,15.8 13.5,15.1 12.2,13.8 12.2,11 15.4,11 15.4,17.2 13.5,19.1 13.5,24 9.7,24 9.7,33.7 6.4,33.7 4.9,33.7 4.5,34.1 4.5,37.5 7.5,40.5 7.5,43.8 5.1,43.8 5.1,41.3 3.7,39.9 3.7,30.4 4.8,29.3 6.4,29.3 6.4,24.9 6.2,24.7 4.8,24.7 4.8,21.2 6.4,19.6 6.4,15.6 6.2,15.4 5.3,15.4 5.3,14.4 4.9,14
+VUSB on Top Layer "Top Layer-No Net" (solid, remove dead copper, pour order 40): 30.2,13.5 25.8,13.5 25.8,12.2 26.2,11.8 26.2,10.3 27.2,10.3 27.2,11.3 28.1,12.2 30.2,12.2
NVBATT on Top Layer "Top Layer-No Net" (solid, remove dead copper, pour order 38): 17.5,5 20.2,5 21.7,3.5 27,3.5 27,0.5 17.6,0.5 17.5,0.6
+VBATT on Top Layer "Top Layer-No Net" (solid, remove dead copper, pour order 36): 10.475,4.4 12.6,4.4 15.3,7.1 15.3,9.3 16.9,10.9 16.9,13.1 18.9,13.1 19.4,13.6 20,13.6 20,11.8 20.4,11.4 21.7,11.4 22.6,12.3 22.6,12.9 24.3,12.9 24.4,12.8 24.4,12.3 23.5,12.3 22.4,11.2 22.5,11.1 22.5,10.3 21.5,10.3 20.9,9.7 20.9,6.2 16.7,6.2 13,2.5 13,1.7 10.475,1.7
NetD6_1 on Top Layer "Top Layer-No Net" (solid, remove dead copper, pour order 34): 8.1,15.7 9.7,15.7 10,15.4 10,14.5 10.1,14.5 11.2,13.4 11.2,10.6 11.8,10 12.9,10 12.9,6.5 8.1,6.5
GND on Bottom Layer "Top Layer-No Net" (solid, remove dead copper, pour order 72): 0,48.1 0,0 37,0 37,48.1
+3V3 on Bottom Layer "Top Layer-No Net" (solid, remove dead copper, pour order 68): 21.9,41.8 22.6,42.5 22.6,43.5 22.5,43.6 13.6,43.6 12,45.2 12,41.8 13.3,41.8 13.3,40.6 11.7,39 11.7,36.8 14,34.5 14,26.8 18.4,22.4 18.4,16.7 21.1,16.7 21.1,16.9 21.1,17.1 21.1,23.1 15.9,28.3 15.9,31.9 14.7,33.1 14.7,34.8 14.6,34.8 12.3,37.1 12.3,38.3 14.1,38.3 14.3,38.5 14.3,41.8
+5V on Bottom Layer "Top Layer-No Net" (solid, remove dead copper, pour order 56): 31,39.1 36.1,39.1 36.1,45 36,45 36,48.1 22.9,48.1 22.9,46.4 21,44.5 14.4,44.5 10.8,48.1 5.1,48.1 5.1,40.3 5.2,40.2 7.6,40.2 7.6,43.8 9.3,45.5 9.4,45.4 12.1,45.4 13.7,43.8 21.7,43.8 24.3,46.4 29.9,46.4 31,45.3

## Keep-outs
Keep-Out Layer:
  lines w1: 30.2,1.56 30.2,7.46 30.9,8.16 ; 34.6,8.16 35.3,7.46 35.3,1.76

## Other copper
Top Layer:
  pour cut-out: 29.05,35.425 29.075,35.4 32.175,35.4 32.175,32.9 32.1,32.825 32.042,32.883 29.029,32.883
  pour cut-out: 14.525,41.475 20.4,41.475 20.389,41.464 20.389,35.561 14.611,35.561
  pour cut-out: 31.579,8.334 34.741,8.334 35.175,7.9 35.175,0.8 30.252,0.8 30.175,0.877 30.175,7.725
  pour cut-out: 13,48.1 21.6,48.1 21.6,44.75 13,44.75

## Silkscreen, mask and mechanical layers (free items; w line width, h text height)
Top Overlay:
  text "BATT +" at 16.625,7.025 h0.5 r90
  text "BATT -" at 16.7,1.525 h0.5 r90
Bottom Overlay:
  rectangle: 29.5,24.925 34.025,34.1
  rectangle: 29.5,2.925 34.025,15.8
  rectangle: 4.35,3.15 8.875,16.025
  rectangle: 4.35,25.15 8.875,42.025
  text "STICKY TAPE" at 6.875,17.925 h1 r90
  text "STICKY TAPE" at 32.025,17.7 h1 r90
Outline:
  lines w0.1: -23.2,1 -23.2,43.2 cw(c-22.2,43.2) -22.2,44.2 ; 35.8,43.2 35.8,1 ; 35.8,1 35.8,1

## Text inside footprints (layer, text, board x,y; h text height)
U8: Mechanical 13 "PCB EDGE" at 36.7,27.4 h0.41 r90